# Altium PCB DDR5_Nucleo_Shield_PCB.PcbDoc (part 1 of 2) (continued)
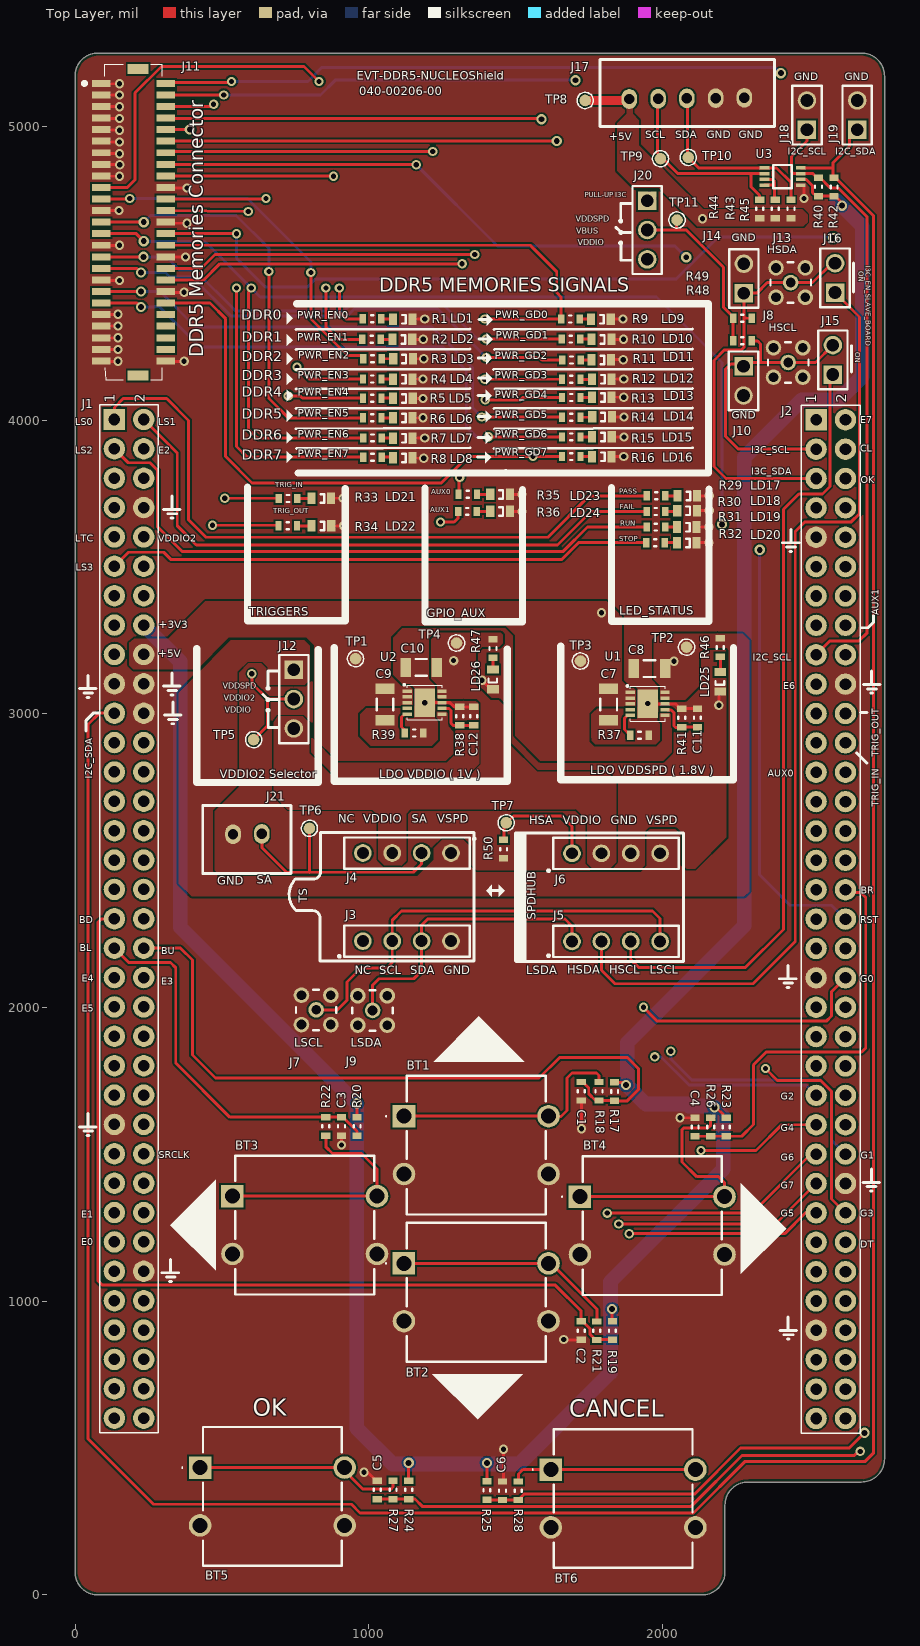
[diagram p0: Top Layer view]
## Footprints (in the part's own frame and the unit in brackets; to place one, negate y for a bottom-side part, rotate by r counter-clockwise, add the part's x,y. Pads: shape width x height; smd on the part's side, far side on the other; paste and mask are expansions set on the pad)
61300411821 [mm]
  round 1.53 hole 1.02: 1(-3.81,0) 2(-1.27,0) 3(1.27,0) 4(3.81,0)
  silkscreen extent -5.94,-1.41 5.43,1.35, body extent -5.33,-1.25 5.33,1.25, height 8.57
BM50BSRDSGTFLFSN [mm]
  rect 0.6x1.6 smd: 1(-12,-2.8) 2(-12,2.8) 3(-11,-2.8) 4(-11,2.8) 5(-10,-2.8) 6(-10,2.8) 7(-9,-2.8) 8(-9,2.8) 9(-8,-2.8) 10(-8,2.8) 11(-7,-2.8) 12(-7,2.8) 13(-6,-2.8) 14(-6,2.8) 15(-5,-2.8) 16(-5,2.8) 17(-4,-2.8) 18(-4,2.8) 19(-3,-2.8) 20(-3,2.8) 21(-2,-2.8) 22(-2,2.8) 23(-1,-2.8) 24(-1,2.8) 25(0,-2.8) 26(0,2.8) 27(1,-2.8) 28(1,2.8) 29(2,-2.8) 30(2,2.8) 31(3,-2.8) 32(3,2.8) 33(4,-2.8) 34(4,2.8) 35(5,-2.8) 36(5,2.8) 37(6,-2.8) 38(6,2.8) 39(7,-2.8) 40(7,2.8) 41(8,-2.8) 42(8,2.8) 43(9,-2.8) 44(9,2.8) 45(10,-2.8) 46(10,2.8) 47(11,-2.8) 48(11,2.8) 49(12,-2.8) 50(12,2.8)
  rect 0.85x1.8 smd: MP1(-13.25,0.4) MP2(13.25,0.4)
  silkscreen extent -13.65,-4.3 13.65,2.5, body extent -13.65,-3.67 13.65,3.41, height 4.35
"CC/NM 0603" [mm] "Chip Capacitor, 2-Leads, Body 1,6x0,8mm, IPC High Density"
  rect 0.55x0.8 smd: 1(-0.8,0) 2(0.8,0)
  silkscreen extent -0.1,-0.3 0.1,0.3, body extent -0.8,-0.41 0.8,0.39, height 0.3
"CC/NM 1206" [mm] "Chip Capacitor, 2-Leads, Body 3,1x1,6mm, IPC High Density"
  rect 0.9x1.65 smd: 1(-1.35,0) 2(1.35,0)
  silkscreen extent -0.5,-0.72 0.5,0.72, body extent -1.6,-0.8 1.6,0.8, height 1
CON_SAMTEC_TSW-135-07-X-D [mm]
  rect 1.85x1.85 / inner round 1.85 / far side rect 1.85x1.85 hole 1 mask+0.05: 1(-43.18,-1.27)
  round 1.85 hole 1 mask+0.05: 2(-43.18,1.27) 3(-40.64,-1.27) 4(-40.64,1.27) 5(-38.1,-1.27) 6(-38.1,1.27) 7(-35.56,-1.27) 8(-35.56,1.27) 9(-33.02,-1.27) 10(-33.02,1.27) 11(-30.48,-1.27) 12(-30.48,1.27) 13(-27.94,-1.27) 14(-27.94,1.27) 15(-25.4,-1.27) 16(-25.4,1.27) 17(-22.86,-1.27) 18(-22.86,1.27) 19(-20.32,-1.27) 20(-20.32,1.27) 21(-17.78,-1.27) 22(-17.78,1.27) 23(-15.24,-1.27) 24(-15.24,1.27) 25(-12.7,-1.27) 26(-12.7,1.27) 27(-10.16,-1.27) 28(-10.16,1.27) 29(-7.62,-1.27) 30(-7.62,1.27) 31(-5.08,-1.27) 32(-5.08,1.27) 33(-2.54,-1.27) 34(-2.54,1.27) 35(0,-1.27) 36(0,1.27) 37(2.54,-1.27) 38(2.54,1.27) 39(5.08,-1.27) 40(5.08,1.27) 41(7.62,-1.27) 42(7.62,1.27) 43(10.16,-1.27) 44(10.16,1.27) 45(12.7,-1.27) 46(12.7,1.27) 47(15.24,-1.27) 48(15.24,1.27) 49(17.78,-1.27) 50(17.78,1.27) 51(20.32,-1.27) 52(20.32,1.27) 53(22.86,-1.27) 54(22.86,1.27) 55(25.4,-1.27) 56(25.4,1.27) 57(27.94,-1.27) 58(27.94,1.27) 59(30.48,-1.27) 60(30.48,1.27) 61(33.02,-1.27) 62(33.02,1.27) 63(35.56,-1.27) 64(35.56,1.27) 65(38.1,-1.27) 66(38.1,1.27) 67(40.64,-1.27) 68(40.64,1.27) 69(43.18,-1.27) 70(43.18,1.27)
  silkscreen extent -44.45,-2.54 44.45,2.54, body extent -44.45,-2.54 44.45,2.54, height 8.38
HEADER/VERT/1X2/M/P2.54 [mm] "Connector; Header; Pitch 2.54mm; 2 Position Male"
  rect 1.6x1.6 hole 1.1: 1(0,0)
  round 1.6 hole 1.1: 2(2.54,0)
  silkscreen extent -1.27,-1.27 3.81,1.27, body extent -1.27,-1.27 3.81,1.27, height 8.67
HEADER/VERT/1X3/M/P2.54 [mm] "Connector; Header; Pitch 2.54mm; 3 Position Male"
  rect 1.6x1.6 hole 1.1: 1(0,0)
  round 1.6 hole 1.1: 2(2.54,0) 3(5.08,0)
  silkscreen extent -1.27,-1.27 6.35,1.27, body extent -1.27,-1.27 6.35,1.27, height 8.67
JST_XH_2V [mm]
  oval 1.35x1.7 hole 0.9: 1(-1.245,-0.013) 2(1.245,0.013)
  silkscreen extent -3.78,-2.48 3.86,3.42, body extent -3.67,-2.35 3.73,3.4, height 7
JST_XH_5V [mm]
  oval 1.35x1.7 hole 0.9: 1(-4.978,-0.051) 2(-2.489,-0.025) 3(0,0) 4(2.489,0.025) 5(4.978,0.051)
  silkscreen extent -7.52,-2.44 7.59,3.38, body extent -7.45,-2.36 7.45,3.39, height 7
LED/0603/GREEN [mm] "LED 0603 Package Green Colour"
  rect 0.7x1 smd: 1(-0.85,0) 2(0.85,0)
  silkscreen extent -0.07,-0.39 0.26,0.35, body extent -0.85,-0.37 0.8,0.36, height 0.68
SAMTEC_MMCX-J-P-H-ST-TH1 [mm]
  round 1.348 hole 0.84: 1(0,0) S1(-1.27,1.27) S2(1.27,1.27) S3(1.27,-1.27) S4(-1.27,-1.27)
  silkscreen extent -1.75,-1.75 1.75,1.75, body extent -1.72,-1.75 1.78,1.75, height 4.35
SON50P300X300X80-11N [mm]
  rect 0.8x0.3 smd: 1(-1.5,1) 2(-1.5,0.5) 3(-1.5,0) 4(-1.5,-0.5) 5(-1.5,-1) 6(1.5,-1) 7(1.5,-0.5) 8(1.5,0) 9(1.5,0.5) 10(1.5,1)
  rect 1.75x2.48 smd: 11(0,0)
  silkscreen extent -1.8,-1.5 1.5,1.59, body extent -1.55,-1.5 1.55,1.5, height 0.8
SOP50P310X90-8N [mm]
  rect 0.85x0.3 smd: 1(-1.575,0.75) 2(-1.575,0.25) 3(-1.575,-0.25) 4(-1.575,-0.75) 5(1.575,-0.75) 6(1.575,-0.25) 7(1.575,0.25) 8(1.575,0.75)
  silkscreen extent -0.8,-1 0.8,1, body extent -1.58,-1.03 1.52,0.97, height 0.77
TP_SMD_1MM [mm]
  round 1 smd paste-10 mask+0.05: 1(0,0)
  silkscreen extent -0.7,-0.7 0.7,0.7
TS14121260BK260SCRD [mm]
  rect 1.95x1.95 hole 1.3: 1(0,0)
  round 1.95 hole 1.3: 2(12.5,0) 3(0,-5) 4(12.5,-5)
  silkscreen extent -1.6,-8.5 12.25,3.5, body extent -0.83,-8.57 13.17,3.43, height 6.2

## Part data
BT1 BT2 BT3 BT4 BT5 BT6: "Interruptores táctiles 12 x 12 mm 6 mm 260 gf Short Crimped Black Through Hole SPST", Manufacturer="Same Sky", Package="Through Hole", Supplier  Part Number 1=2223-TS14-1212-60-BK-260-SCR-D-ND, Supplier  Part Number 2=179-TS14121260260SCR, Datasheet=https://www.mouser.es/datasheet/3/6118/1/ts14.pdf, DrownBy="Xavier Rocher", Manufacturer Part Number=TS14-1212-60-BK-260-SCR-D, Supplier 1=Digikey, Supplier 2=Mouser
C1 C2 C3 C4 C5 C6: library part KGM15AV51E104ZM, "0.1 µF -20%, +80% 25V Ceramic Capacitor Y5V (F) 0603 (1608 Metric)", Manufacturer="KYOCERA AVX", Package=0603, Supplier  Part Number 1=581-KGM15AV51E104ZM, Supplier  Part Number 2=478-KGM15AV51E104ZMTR-ND, Datasheet=https://datasheets.kyocera-avx.com/KGM_Y5V.pdf, DrownBy="Xavier Rocher", Manufacturer Part Number=KGM15AV51E104ZM, Supplier 1=Digikey, Supplier 2=Mouser
C7 C9: library part 1206YD476MAT2A, "Condensadores de cerámica multicapa (MLCC- SMD/SMT) KGM31HR51C476MU NEW GLOBAL PN 16V 47uF X A 581-KGM31HR51C476MU", Manufacturer="KYOCERA AVX", Package=1206, Supplier  Part Number 1=4155127, Supplier  Part Number 2=581-1206YD476MAT2A, Automotive=https://datasheets.kyocera-avx.com/cx5r-KGM.pdf, DrownBy="Xavier Rocher", Manufacturer Part Number=1206YD476MAT2A, Supplier 1=Digikey, Supplier 2=Mouser
C8 C10: library part CGA5L1X7R1E106K160AC, "Condensadores de cerámica multicapa (MLCC- SMD/SMT) CGA 1206 25V 10uF X7R 10% AEC-Q200", Manufacturer=TDK, Package=1206, Supplier  Part Number 1=2458327, Supplier  Part Number 2=810-CGA5L1X7R1E106K, Automotive=https://www.farnell.com/datasheets/4520416.pdf?_gl=1*1qw350c*_gcl_aw*R0NMLjE3NzI0NTg0MDAuQ2p3S0NBaUFoNVhOQmhBQUVpd0FfQnU4RlFpaGh0aTJCR0F1SXBlQ2pXMWtFYmlZc2JraDRpajgydjZyT2lxVUUtZHBLLW80X0NoNy1Sb0NSZjhRQXZEX0J3RQ..*_gcl_au*MjEwMjY0Mzg0MC4xNzcyNDM5MTYx, DrownBy="Xavier Rocher", Manufacturer Part Number=CGA5L1X7R1E106K160AC, Supplier 1=Digikey, Supplier 2=Mouser
C11 C12: library part C0603X6S0G474M030BC, "Condensadores de cerámica multicapa (MLCC- SMD/SMT) 0201 4VDC 0.47uF 20% X6S 0.3mm", Manufacturer=TDK, Package=0603, Supplier  Part Number 1=4171987, Supplier  Part Number 2=810-C0603X6S0G474MBC, Datasheet=https://product.tdk.com/system/files/dam/doc/product/capacitor/ceramic/mlcc/catalog/mlcc_commercial_general_en.pdf, DrownBy="Xavier Rocher", Manufacturer Part Number=C0603X6S0G474M030BC, Supplier 1=Digikey, Supplier 2=Mouser
J1 J2: "Header, 35x2, 2,54mm, VR, TH, Height 5.84mm/2.54mm", Manufacturer=Samtec, Package=0603, Supplier  Part Number 1=3664498, Supplier  Part Number 2=200-TSW13507GD, DrownBy="Xavier Rocher", Manufacturer Part Number=TSW-135-07-G-D, Supplier 1=Farnell, Supplier 2=Mouser
J3 J4 J5 J6: "2.54mm Scket Header 4 pins", Manufacturer="Wurth Elektronik", Package=0603, Supplier  Part Number 1=732-61300411821-ND, Supplier  Part Number 2=710-61300411821, Datasheet=https://www.we-online.com/components/products/datasheet/61300411821.pdf, DrownBy="Xavier Rocher", Manufacturer Part Number=61300411821, Supplier 1=Digikey, Supplier 2=Mouser
J7 J8 J9 J13: "RF Connectors / Coaxial Connectors 50 OHM MMCX JACK OR PLUG", Manufacturer="Samtec Inc.", Package=0603, Supplier  Part Number 1=SAM10617-ND, Supplier  Part Number 2=200-MMCXJPHSTTH1, Datasheet=https://mm.digikey.com/Volume0/opasdata/d220001/medias/docus/6129/mmcx-j-p-x-st-th1-mkt.pdf, DrownBy="Xavier Rocher", Manufacturer Part Number=MMCX-J-P-H-ST-TH1, Supplier 1=Digikey, Supplier 2=Mouser
J10 J14 J15 J16 J18 J19: "Alojamientos de cables y cabecera 2.54MM CLASSIC PCB HDR STRIP", Manufacturer=SAMTEC, Package=0603, Supplier  Part Number 1=2779661, Supplier  Part Number 2=200-TSW10207FS, Datasheet=https://www.farnell.com/datasheets/1701645.pdf?_gl=1*1o3ly18*_gcl_aw*R0NMLjE3NzI0NTg0MDAuQ2p3S0NBaUFoNVhOQmhBQUVpd0FfQnU4RlFpaGh0aTJCR0F1SXBlQ2pXMWtFYmlZc2JraDRpajgydjZyT2lxVUUtZHBLLW80X0NoNy1Sb0NSZjhRQXZEX0J3RQ..*_gcl_au*MjEwMjY0Mzg0MC4xNzcyNDM5MTYx, DrownBy="Xavier Rocher", Manufacturer Part Number=TSW-102-07-F-S, Supplier 1=Farnell, Supplier 2=Mouser
J11: Manufacturer=JST, Package="BM50B Series", Supplier  Part Number 1=2399332, Supplier  Part Number 2=306-BM50BSRDSGTFLFSN, Datasheet=https://www.farnell.com/datasheets/2085439.pdf?_gl=1*149c80b*_gcl_aw*R0NMLjE3NzI0MzkxNjIuQ2p3S0NBaUFoNVhOQmhBQUVpd0FfQnU4RlZpZGN3SFZkTmhUaGpab0lwT1FoQkFLZGxhWW9IVVdZQjN2WlhqdGU5dFd2US1sQTZFMy14b0NDLUVRQXZEX0J3RQ..*_gcl_au*MjEwMjY0Mzg0MC4xNzcyNDM5MTYx, DrownBy="Xavier Rocher", Manufacturer Part Number=BM50B-SRDS-G-TF(LF)(SN), Supplier 1=Farnell, Supplier 2=Mouser
J12 J20: "Pin Header, Unshrouded, Board-to-Board, 2.54 mm, 1 Rows, 3 Contacts, Through Hole, TSW", Manufacturer=SAMTEC, Package=0603, Supplier  Part Number 1=2505043, Supplier  Part Number 2=200-TSW10307FS, Datasheet=https://www.farnell.com/datasheets/1701645.pdf?_gl=1*1o3ly18*_gcl_aw*R0NMLjE3NzI0NTg0MDAuQ2p3S0NBaUFoNVhOQmhBQUVpd0FfQnU4RlFpaGh0aTJCR0F1SXBlQ2pXMWtFYmlZc2JraDRpajgydjZyT2lxVUUtZHBLLW80X0NoNy1Sb0NSZjhRQXZEX0J3RQ..*_gcl_au*MjEwMjY0Mzg0MC4xNzcyNDM5MTYx, DrownBy="Xavier Rocher", Manufacturer Part Number=TSW-103-07-F-S, Supplier 1=Farnell, Supplier 2=Mouser
J17: "Alojamientos de cables y cabecera XH HEADER (TOP)", Manufacturer=JST, Package=XH, Supplier  Part Number 1=1516281, Supplier  Part Number 2=306-B5BXHALFSN, Automotive=https://www.mouser.es/datasheet/3/1070/1/eXH.pdf, DrownBy="Xavier Rocher", Manufacturer Part Number=B5B-XH-A(LF)(SN), Supplier 1=Farnell, Supplier 2=Mouser
J21: "Alojamientos de cables y cabecera 2.54MM CLASSIC PCB HDR STRIP", Manufacturer=JST, Package=XH, Supplier  Part Number 1=1516276, Supplier  Part Number 2=306-B2BXHALFSNP, Datasheet=https://www.farnell.com/datasheets/2057209.pdf?_gl=1*1fl0mut*_gcl_aw*R0NMLjE3NzI0NTg0MDAuQ2p3S0NBaUFoNVhOQmhBQUVpd0FfQnU4RlFpaGh0aTJCR0F1SXBlQ2pXMWtFYmlZc2JraDRpajgydjZyT2lxVUUtZHBLLW80X0NoNy1Sb0NSZjhRQXZEX0J3RQ..*_gcl_au*MjEwMjY0Mzg0MC4xNzcyNDM5MTYx, DrownBy="Xavier Rocher", Manufacturer Part Number="B2B-XH-A (LF)(SN)", Supplier 1=Farnell, Supplier 2=Mouser
LD1 LD2 LD3 LD4 LD5 LD6 LD7 LD8 LD9 LD10 LD11 LD12 LD13 LD14 LD15 LD16 LD17 LD18 LD19 LD20 LD21 LD22 LD23 LD24 LD25 LD26: "Green Light Emitting Diode", Manufacturer=Kingbright, Package=0603, Supplier  Part Number 1=754-2031-2-ND, Supplier  Part Number 2=604-APHD1608LCGCK, Automotive=No, Datasheet=https://www.kingbrightusa.com/images/catalog/SPEC/APHD1608LCGCK.pdf, DrownBy="Xavier Rocher", Manufacturer Part Number=APHD1608LCGCK, Supplier 1=Digikey, Supplier 2=Mouser
R1 R2 R3 R4 R5 R6 R7 R8 R9 R10 R11 R12 R13 R14 R15 R16 R29 R30 R31 R32 R33 R34 R35 R36 R46 R47: library part CR0603-FX-6800ELF, "Resistores de película gruesa - SMD 680 ohm 1%", Manufacturer=BOURNS, Package=0603, Supplier  Part Number 1=4014380, Supplier  Part Number 2=652-CR0603FX-6800ELF, Automotive=No, Datasheet=https://eu.mouser.com/datasheet/3/40/1/cr.pdf, DrownBy="Xavier Rocher", Manufacturer Part Number=CR0603-FX-6800ELF, Supplier 1=Farnell, Supplier 2=Mouser
R17 R19 R20 R23 R24 R25 R50: library part AC0603FR-0710KL, Manufacturer=YAGEO, Package=0603, Supplier  Part Number 1=2363472, Supplier  Part Number 2=603-AC0603FR-0710KL, DrownBy="Xavier Rocher", Manufacturer Part Number=AC0603FR-0710KL, Supplier 1=Farnell, Supplier 2=Mouser
R18 R21 R22 R26 R27 R28 R40 R42 R44 R45: library part RT0603BRD101KL, Manufacturer=YAGEO, Package=0603, Supplier  Part Number 1=3496584, Supplier  Part Number 2=603-RT0603BRD101KL, DrownBy="Xavier Rocher", Manufacturer Part Number=RT0603BRD101KL, Supplier 1=Farnell, Supplier 2=Mouser
R37 R39: library part TNPW06031K00BYCN, "Resistores de película fina - SMD TNPW-0603 1K 0.1% T-13 R52", Manufacturer=Vishay, Package=0603, Supplier  Part Number 1=TNPW06031K00BYCN-ND, Supplier  Part Number 2=71-TNPW060318K0BYCN, Automotive=Yes, Datasheet=https://4donline.ihs.com/images/VipMasterIC/IC/VISH/VISH-S-A0025054536/VISH-S-A0025054537-1.pdf?hkey=6D3A4C79FDBF58556ACFDE234799DDF0, DrownBy="Xavier Rocher", Manufacturer Part Number=TNPW06031K00BYCN, Supplier 1=Digikey, Supplier 2=Mouser
R38 R48 R49: library part CRT0603-BY-1002ELF, "Thin Film Resistors - SMD 1/10watts 10K .1%", Manufacturer=Bourns, Package=0603, Supplier  Part Number 1=2008310, Supplier  Part Number 2=652-CRT0603BY1002ELF, Automotive=Yes, Datasheet=https://4donline.ihs.com/images/VipMasterIC/IC/VISH/VISH-S-A0025054536/VISH-S-A0025054537-1.pdf?hkey=6D3A4C79FDBF58556ACFDE234799DDF0, DrownBy="Xavier Rocher", Manufacturer Part Number=CRT0603-BY-1002ELF, Supplier 1=Farnell, Supplier 2=Mouser
R41: library part TNPW060318K0BYCN, "Resistencia SMD de Tipo Chip, 20 kohm, ± 0.1%, 125 mW, 0603 [Métrica 1608], Película Delgada", Manufacturer=Vishay, Package=0603, Supplier  Part Number 1=4140054, Supplier  Part Number 2=71-TNPW060318K0BYCN, Automotive=Yes, Datasheet=https://4donline.ihs.com/images/VipMasterIC/IC/VISH/VISH-S-A0025054536/VISH-S-A0025054537-1.pdf?hkey=6D3A4C79FDBF58556ACFDE234799DDF0, DrownBy="Xavier Rocher", Manufacturer Part Number=TNPW060318K0BYCN, Supplier 1=Farnell, Supplier 2=Mouser
R43: library part CRCW0603200KFHEAP, "Resistores de película gruesa - SMD D11/CRCW0603-P 50 200K 1% ET1 e3", Package=0603, Supplier  Part Number 1=CRCW0603200KFHEAP-ND, Supplier  Part Number 2=71-CRCW0603200KFHEAP, DrownBy="Xavier Rocher", Manufacturer Part Number=CRCW0603200KFHEAP, Supplier 1=Digikey, Supplier 2=Mouser
TP1 TP2 TP3 TP4 TP5 TP6 TP7 TP8 TP9 TP10 TP11: "Test Point 1mm", Manufacturer=n/a, ComponentLink1Description=Datasheet, ComponentLink1URL=http://na, ECCN_EU=n/a, ECCN_US=n/a, Internal_Part_Number=MCD-00074, Manufacturer_Part_Number=n/a, Part_Type=Mechanical, Provided_By=n/a, Status=Released
U1 U2: "20V, 500mA, Ultralow Noise, Ultrahigh PSRR Linear Regulator", Manufacturer="Analog Devices", Package=DFN-10, Supplier  Part Number 1=4027559, Supplier  Part Number 2=584-LT3045MPDD#PBF, Automotive=Yes, Datasheet=https://www.analog.com/media/en/technical-documentation/data-sheets/lt3045.pdf, DrownBy="Xavier Rocher", Manufacturer Part Number=LT3045MPDD#PBF, Supplier 1=Farnell, Supplier 2=Mouser
U3: Manufacturer=TI, Package=VSSOP-8, Supplier  Part Number 1=296-TCA39306DCURQ1TR-ND, Supplier  Part Number 2=595-TCA39306DCURQ1, Automotive=Yes, Datasheet=https://www.ti.com/lit/ds/symlink/tca39306-q1.pdf?ts=1772335428960, DrownBy="Xavier Rocher", Manufacturer Part Number=TCA39306DCURQ1, Supplier 1=Digikey, Supplier 2=Mouser

## Free pads (board coordinates)
  rect 5x5 on Mech14 paste+0 mask+0: 2(2570,3685)

## Via types
v1: diameter 31.5, hole 17.72, Top Layer to Bottom Layer, tented both sides, 104 vias
v2: diameter 35, hole 20, Top Layer to Bottom Layer, tented both sides, 22 vias
v3: diameter 35, hole 20, Top Layer to Bottom Layer, 1 vias

## Nets (pads, with @x,y where several pads share a name; then routed paths per layer and width w, separated by ;. In a path a pad name is that pad's centre, name@x,y a point inside that pad or via, vN(x,y) a via of type N, cw(c..) or ccw(c..) an arc to the next point about the centre after c; other vN are vias at no path point)
+3V3: J1.16 R17.2 R19.2 R20.2 R23.2 R24.2 R25.2 R40.2 R42.2 U3.2 | length 9448.3
  Top Layer w10: R20.2@960.32,1626.68 v3(960.32,1674.54) ; R24.2@1136,389.5 v2(1136,450) ; R25.2@1402.32,387.5 v2(1402.32,449.5) v2@1402.82,450 ; v2(1828.54,973.61) 1828.54,932.51 R19.2@1829.55,931.5 ; R17.2@1837,1745.5 1866.5,1745.5 v2(1876,1736) ; v2(2177,1660.11) 2181.92,1660.11 2206.57,1635.46 2206.57,1630.54 2212.4,1624.71 R23.2@2217.32,1624.71 ; U3.2@2471.01,4819.2 2471.91,4818.3 2490.29,4818.3 2511,4797.59 2511,4774 2522.5,4762.5 R40.2@2531.07,4762.5 2531.32,4762.26 2583.98,4762.26 R42.2@2584.23,4762.01 2589.15,4762.01 2611,4740.16 v2(2611,4730)
  Bottom Layer w50: J1.16@234,3302 358,3178 358,2273.77 958.83,1672.93 958.83,568.17 1081,446 1512,446 1823,757 1823,1065.87 2207,1449.87 2207,1630.11 v2(2177,1660.11) 2172.04,1665.07 2090.16,1665.07 2083.86,1671.36 1943.85,1671.36 1879.22,1736 v2(1876,1736) 1880,1740 1880,1880.02 1981.65,1981.68 2278.09,2278.11 2278.09,3872.55 2473.84,4068.29 2599.99,4068.29 2680,4148.3 2680,4660.06 2610.53,4729.53 2594.06,4746
+5V: C7.2 C9.2 J1.18 J17.1 R43.2 R44.2 R45.2 TP1.1 TP3.1 TP8.1 U1.1 U1.2 U1.3 U1.6 U2.1 U2.2 U2.3 U2.6 | length 1637.6
  Top Layer w30: TP8.1@1737,5088 J17.1@1885.55,5088
  Top Layer w50: J17.1@1885.55,5088 1887,5089.45 J17.1@1887,5093
  Mid-Layer 1 w50: v1(1792,3344) 1792,3632 2023,3863 2023,4572 v1(2136,4685)
+VBUS: J20.2 R48.2 R49.2 TP11.1 | length 612.8
  Top Layer w10: J20.2@1948,4647 1949.5,4648.5 1949.5,4647 2048,4647 ; TP11.1@2049.54,4681 2048,4679.46 2048,4647 ; R48.2@2240.5,4270 R49.2@2240.5,4346.56 2240.5,4351.48 2207.98,4384 2207.98,4520.02 2081,4647 2048,4647
+VDDIO: C10.2 J4.3 J6.2 J12.3 J20.3 R47.1 TP4.1 U2.9 U2.10 | length 1639
  Mid-Layer 1 w50: v1(1289,3181) 1289,3230.22 1948,3889.22 J20.3@1948,4547
+VDDSPD: C8.2 J4.1 J6.4 J12.1 J20.1 R46.1 TP2.1 U1.9 U1.10 | length 2010.3
  Mid-Layer 1 w50: J20.1@1954.5,4753.5 1954.5,4800.71 1983.79,4830 2155,4830 2206,4779 2206,4598 2098,4490 2098,3820 2039,3761 v1(2039,3179)
  Bottom Layer w50: J20.1@1948,4747 J20.1@1954.5,4753.5
CANCEL: C6.2 J2.4 R25.1 R28.2 | length 4840.8
  Top Layer w10: R25.1@1402.32,324.5 1402.82,324 1455.48,324 1508.14,324 R28.2@1508.64,323.5 1529.14,344 2110,344 2266,500 2636,500 v2(2688,552)
  Mid-Layer 2 w10: J2.4@2623.06,3900.97 2572,3849.92 2572,3585.1 2608.81,3548.29 2671.71,3548.29 2694,3526 2694,2078.59 2694,557.86 2693.86,557.86 v2(2688,552)
DATA: J2.58 J11.8 | length 5571.2
  Top Layer w10: J11.8@309.47,5028.13 311.54,5026.07 1585.93,5026.07 v2(1588,5024)
  Mid-Layer 2 w10: v2(1588,5024) 1588,4256 1828,4016 1828,2749 2418,2159 2418,1339.1 2505.1,1252 2572.03,1252 J2.58@2623.06,1200.97
DOWN: C2.2 J1.35 R19.1 R21.2 | length 3146.3
  Top Layer w10: J1.35@134,2302 90,2302 78.33,2290.33 78.33,1069.67 93.32,1054.68 1635.32,1054.68 1723.23,966.77 C2.2@1723.23,931.5 1728.15,931.5 1733.98,925.67 1753.32,906.32 1753.32,887.62 1771.47,869.48 1776.39,869.48 1777.4,870.49 R19.1@1828.54,870.49
GND: BT1.3 BT1.4 BT2.3 BT2.4 BT3.3 BT3.4 BT4.3 BT4.4 BT5.3 BT5.4 BT6.3 BT6.4 C1.1 C2.1 C3.1 C4.1 C5.1 C6.1 C7.1 C8.1 C9.1 C10.1 C11.1 C12.1 J1.8 J1.19 J1.20 J1.22 J1.49 J1.60 J2.9 J2.20 J2.39 J2.54 J2.63 J3.4 J6.3 J7.S1 J7.S2 J7.S3 J7.S4 J8.S1 J8.S2 J8.S3 J8.S4 J9.S1 J9.S2 J9.S3 J9.S4 J10.2 J11.1 J11.3 J11.5 J11.7 J11.9 J11.11 J11.13 J11.15 J11.17 J11.20 J11.23 J11.26 J11.29 J11.32 J11.35 J11.38 J11.41 J11.43 J11.45 J11.47 J11.49 J11.50 J13.S1 J13.S2 J13.S3 J13.S4 J14.2 J17.4 J17.5 J18.2 J19.2 J21.2 LD1.2 LD2.2 LD3.2 LD4.2 LD5.2 LD6.2 LD7.2 LD8.2 LD9.2 LD10.2 LD11.2 LD12.2 LD13.2 LD14.2 LD15.2 LD16.2 LD17.2 LD18.2 LD19.2 LD20.2 LD21.2 LD22.2 LD23.2 LD24.2 LD25.2 LD26.2 R37.1 R38.1 R39.1 R41.1 R50.1 U1.8 U1.11 U2.8 U2.11 U3.1 | length 3405.4
  Top Layer w10: J11.49@85,4200 v1(146.5,4200) ; J11.47@85,4240 v1(146.5,4240) ; J11.45@85,4280 v1(146.5,4280) ; J11.43@85,4320 v1(146.5,4320) ; J11.41@85,4360 v1(146.5,4360) ; J11.23@88,4713 v1(149.5,4713) ; J11.35@90,4475 v1(151.5,4475) ; J11.29@90,4595 v1(151.5,4595) ; J11.17@90,4830 v1(151.5,4830) ; J11.13@90,4906.87 v1(151.5,4906.87) ; J11.11@90,4946.87 v1(151.5,4946.87) ; J11.9@90,4986.87 v1(151.5,4986.87) ; J11.7@90,5026.87 v1(151.5,5026.87) ; J11.5@90,5066.87 v1(151.5,5066.87) ; J11.3@90,5106.87 v1(151.5,5106.87) ; J11.1@90,5145 v1(151.5,5145) ; J11.15@95.5,4873.87 91,4869.37 v1(152.5,4869.37) ; J11.50@310,4200 v1(371.5,4200) ; J11.38@310,4435 v1(371.5,4435) ; J11.32@315,4555 v1(376.5,4555) ; J11.26@320,4670 v1(381.5,4670) ; J11.20@320,4790 v1(381.5,4790) ; LD21.2@871.93,3733.8 v1@920.5,3733.8 ; LD22.2@872.43,3639.8 v1@921,3639.8 ; v1(907.16,1532) C3.1@907.16,1563.69 ; v1(984,418) 995.93,418 1024.44,389.5 C5.1@1029.36,389.5 ; LD2.2@1148.1,4274.84 v1(1185.77,4274.84) ; LD8.2@1149.43,3871.62 1151.05,3870 v1(1187,3870) ; LD7.2@1149.43,3938.62 1149.94,3939.13 v1(1191,3939.13) ; LD6.2@1149.43,4007.62 v1(1185,4007.62) ; LD4.2@1149.43,4139.62 v1(1184.62,4139.62) ; LD1.2@1149.43,4343.62 1198,4343.62 v1@1199,4344.62 ; LD5.2@1149.96,4073.62 v1(1185,4073.62) ; LD3.2@1150.43,4208.62 v1(1187.38,4208.62) ; v1(1190.43,3037.91) U2.8@1249.49,3037.91 1277.09,3037.91 1291,3024 1308.84,3024 R38.1@1309.43,3023.41 1309.48,3023.45 1357.39,3023.45 C12.1@1357.43,3023.5 ; v1(1386,3114.51) 1417.09,3083.42 LD26.2@1423,3083.42 ; C6.1@1455.48,386.5 1459,390.01 v1(1459,496) 1459,453 1456,450 ; LD24.2@1480.46,3689 v1@1529.04,3689 ; LD23.2@1480.46,3747 v1@1529.04,3747 ; v1(1664,869.48) 1664.97,868.5 C2.1@1723.23,868.5 ; C1.1@1723.36,1683.5 1724,1682.86 v1(1724,1587) ; LD9.2@1824,4343.81 v1@1872.57,4343.81 ; LD11.2@1825,4205.64 v1@1873.57,4205.64 ; LD10.2@1825.8,4274.84 v1@1874.37,4274.84 ; LD13.2@1826.8,4077.64 v1@1875.37,4077.64 ; LD12.2@1826.8,4139.64 v1@1875.37,4139.64 ; LD16.2@1826.87,3875.64 v1@1875.44,3875.64 ; LD15.2@1827.33,3942.64 v1@1875.91,3942.64 ; LD14.2@1827.8,4010.64 v1@1876.37,4010.64 ; U1.11@1949.69,3033.91 U1.8@2008.74,3033.91 2044.5,3033.91 2060.92,3017.5 R41.1@2065.84,3017.5 C11.1@2119,3017.5 ; v1(2059.29,1624.71) C4.1@2111,1624.71 ; LD20.2@2116.46,3582.52 v1@2165.04,3582.52 ; LD19.2@2116.46,3636 v1@2165.04,3636 ; LD18.2@2117.29,3691.78 v1@2165.87,3691.78 ; LD17.2@2117.93,3742 v1@2166.5,3742 ; v1(2192,3029) 2192,3071.54 LD25.2@2196,3075.54 ; U3.1@2471.01,4799.52 2481.09,4799.52 2482,4798.61 v1(2482,4754)
  other v1: 1950,3035 2158.04,3582.52 2158.04,3636 914,3639.8 1522.04,3689 2158.87,3691.78 913.5,3733.8 2159.5,3742 1522.04,3747 1868.44,3875.64 1868.91,3942.64 1869.37,4010.64 1868.37,4077.64 1868.37,4139.64 1866.57,4205.64 1867.37,4274.84 1191,4343.62 1865.57,4343.81
GP_AUX0: LD23.1 R35.2 | length 44.9
  Top Layer w10: R35.2@1368.64,3747 LD23.1@1413.54,3747
GP_AUX1: LD24.1 R36.2 | length 46
  Top Layer w10: R36.2@1367.5,3689 LD24.1@1413.54,3689
GPIO_AUX_0: J2.25 J11.14 R35.1 | length 7598.5
  Top Layer w10: J11.14@309.47,4910.02 313.8,4914.35 v1(1217.65,4914.35) ; R35.1@1305.64,3747 1307.54,3748.89 1307.54,3802.67 v1(1309.43,3804.57)
  Mid-Layer 2 w10: v1(1217.65,4914.35) 1217.65,3950.17 1309.43,3858.39 v1(1309.43,3804.57) 1322,3792 1322,3185.69 1359.35,3148.35 1359.35,2003.65 1664,1699 1664,1292 1855,1101 2322,1101 2369.29,1148.29 2637.3,1148.29 2670.38,1181.37 2670.38,1325.62 2647.22,1348.78 2608.33,1348.78 2575.73,1381.37 2575.73,2748.29 J2.25@2523.06,2800.97
GPIO_AUX_1: J2.16 J11.16 R36.1 | length 4762.7
  Top Layer w10: J11.16@309.47,4870.65 310.3,4869.83 1161.17,4869.83 v1(1162,4869) ; v1(1244,3653) 1291,3653 1304.5,3666.5 R36.1@1304.5,3689
  Mid-Layer 2 w10: v1(1162,4869) 1157.97,4864.97 1157.97,3739.03 v1(1244,3653) ; v2(2080.92,4554.09) 2080.92,4076.18 2393.1,3764 2393,3763.9 2393,3462 2506.71,3348.29 2575.73,3348.29 J2.16@2623.06,3300.97
  Bottom Layer w10: v1(1162,4869) 1438,4593 2042.01,4593 v2(2080.92,4554.09)
HSA: J6.1 R50.2 TP7.1 | length 400.1
  Top Layer w10: R50.2@1459,2571.5 1461,2573.5 1461,2620 1493,2652 1657,2652 1692,2617 J6.1@1692,2525
I2C_SCL: J2.17 J18.1 R40.1 U3.3 | length 2106.2
  Top Layer w10: J18.1@2492,4988 2492,4950 2439.28,4897.28 2439.28,4845.58 2445.13,4839.72 2470.17,4839.72 U3.3@2471.01,4838.89 2512.76,4838.89 2526.15,4825.5 R40.1@2531.07,4825.5 2535.99,4825.5 2571.31,4790.18 2598.06,4790.18 2697,4691.24 2697,3276 2669.29,3248.29 2570.38,3248.29 J2.17@2523.06,3200.97
I2C_SDA: J1.21 J19.1 R42.1 U3.4 | length 10112
  Top Layer w10: J1.21@134,3002 82.58,3002 44,2963.42 44,532 267,309 941.14,309 970.7,279.44 2105.44,279.44 2280,454 2689,454 2719,484 2719,4695.15 2589.15,4825 R42.1@2584.23,4825 2580.29,4828.95 2580.29,4852.71 ; U3.4@2471.01,4858.57 2574.43,4858.57 2580.29,4852.71 ; J19.1@2663,4988 2636.5,4961.5 2636.5,4932.22 2580.29,4876 2580.29,4852.71
I3C_HSCL: J5.3 J15.1 | length 2652.7
  Top Layer w10: J5.3@1892,2225 1892,2163 1919,2136 2282,2136 2412,2266 2412,3696 2464.29,3748.29 2544.67,3748.29 2570.38,3774 2570.38,4145.38 J15.1@2580,4155
I3C_HSDA: J5.2 J16.1 | length 3262.5
  Top Layer w10: J5.2@1792,2225 1792,2127 1838,2081 2308,2081 2452,2225 2452,3620.14 2485.51,3653.65 2642.66,3653.65 2670.38,3681.37 2670.38,4351.3 J16.1@2587.67,4434
I3C_SCL: J2.3 J8.1 J10.1 J15.2 R48.1 | length 1060.3
  Top Layer w10: J10.1@2271,4194 J10.1@2274,4191 ; J10.1@2276,4183.56 2288.44,4196 2334,4196 ; J10.1@2276,4189 J10.1@2274,4191 ; R48.1@2303.5,4270 2304.5,4269 2324,4269 2334,4259 2334,4196 ; J2.3@2523.06,3900.97 2259.03,3900.97 2214,3946 2214,4172 2233,4191 J10.1@2274,4191 ; J15.2@2580,4255 2521,4196 J8.1@2428,4196 2334,4196
I3C_SDA: J2.5 J13.1 J14.1 J16.2 R49.1 | length 1429.5
  Top Layer w10: J14.1@2252,4428 2273,4428 J14.1@2277,4432 ; R49.1@2303.5,4346.56 2283.44,4346.56 2277,4353 ; J2.5@2523.06,3800.97 2216.03,3800.97 2175,3842 2175,4203 2211,4239 2269.27,4239 2277,4246.73 2277,4353 ; J16.2@2577,4534 2511,4468 J13.1@2436.48,4468 2357,4468 2321,4432 J14.1@2277,4432 ; 2277,4353 J14.1@2277,4432
LATCH: J1.9 J11.10 | length 1661
  Top Layer w10: J11.10@309.47,4988.76 309.59,4988.88 390.88,4988.88 v2(391,4989)
  Mid-Layer 2 w10: J1.9@134,3602 184.84,3652.84 266.53,3652.84 437,3823.31 437,4943 v2(391,4989)
LCD_SCL: J17.2 R44.1 TP9.1 U3.6 | length 680.1
  Top Layer w10: J17.2@1985,5094 1983,5092 1983,4909 2053.11,4838.89 2301,4838.89 ; R44.1@2331.2,4750.3 2331,4750.49 2331.2,4750.69 2330,4751.89 2330,4765.14 2301,4794.14 2301,4838.89 ; U3.6@2346.99,4838.89 2301,4838.89
LCD_SDA: J17.3 R45.1 TP10.1 U3.5 | length 646.8
  Top Layer w10: J17.3@2083,5095 2085.5,5092.5 2085.5,4896.5 TP10.1@2088,4894 2123.43,4858.57 U3.5@2346.99,4858.57 2388.43,4858.57 2437.52,4809.48 R45.1@2437.52,4750.3
LD_STAT0: LD17.1 R29.2 | length 41
  Top Layer w10: R29.2@2010,3742 LD17.1@2051,3742
LD_STAT1: LD18.1 R30.2 | length 42.6
  Top Layer w10: R30.2@2009,3688.84 2047.43,3688.84 LD18.1@2050.36,3691.78
LD_STAT2: LD19.1 R31.2 | length 40.7
  Top Layer w10: R31.2@2009,3635.68 2049.22,3635.68 LD19.1@2049.54,3636
LD_STAT3: LD20.1 R32.2 | length 42
  Top Layer w10: R32.2@2007.5,3582.52 LD20.1@2049.54,3582.52